# KiCad board ciaa_acc.kicad_pcb (continued)
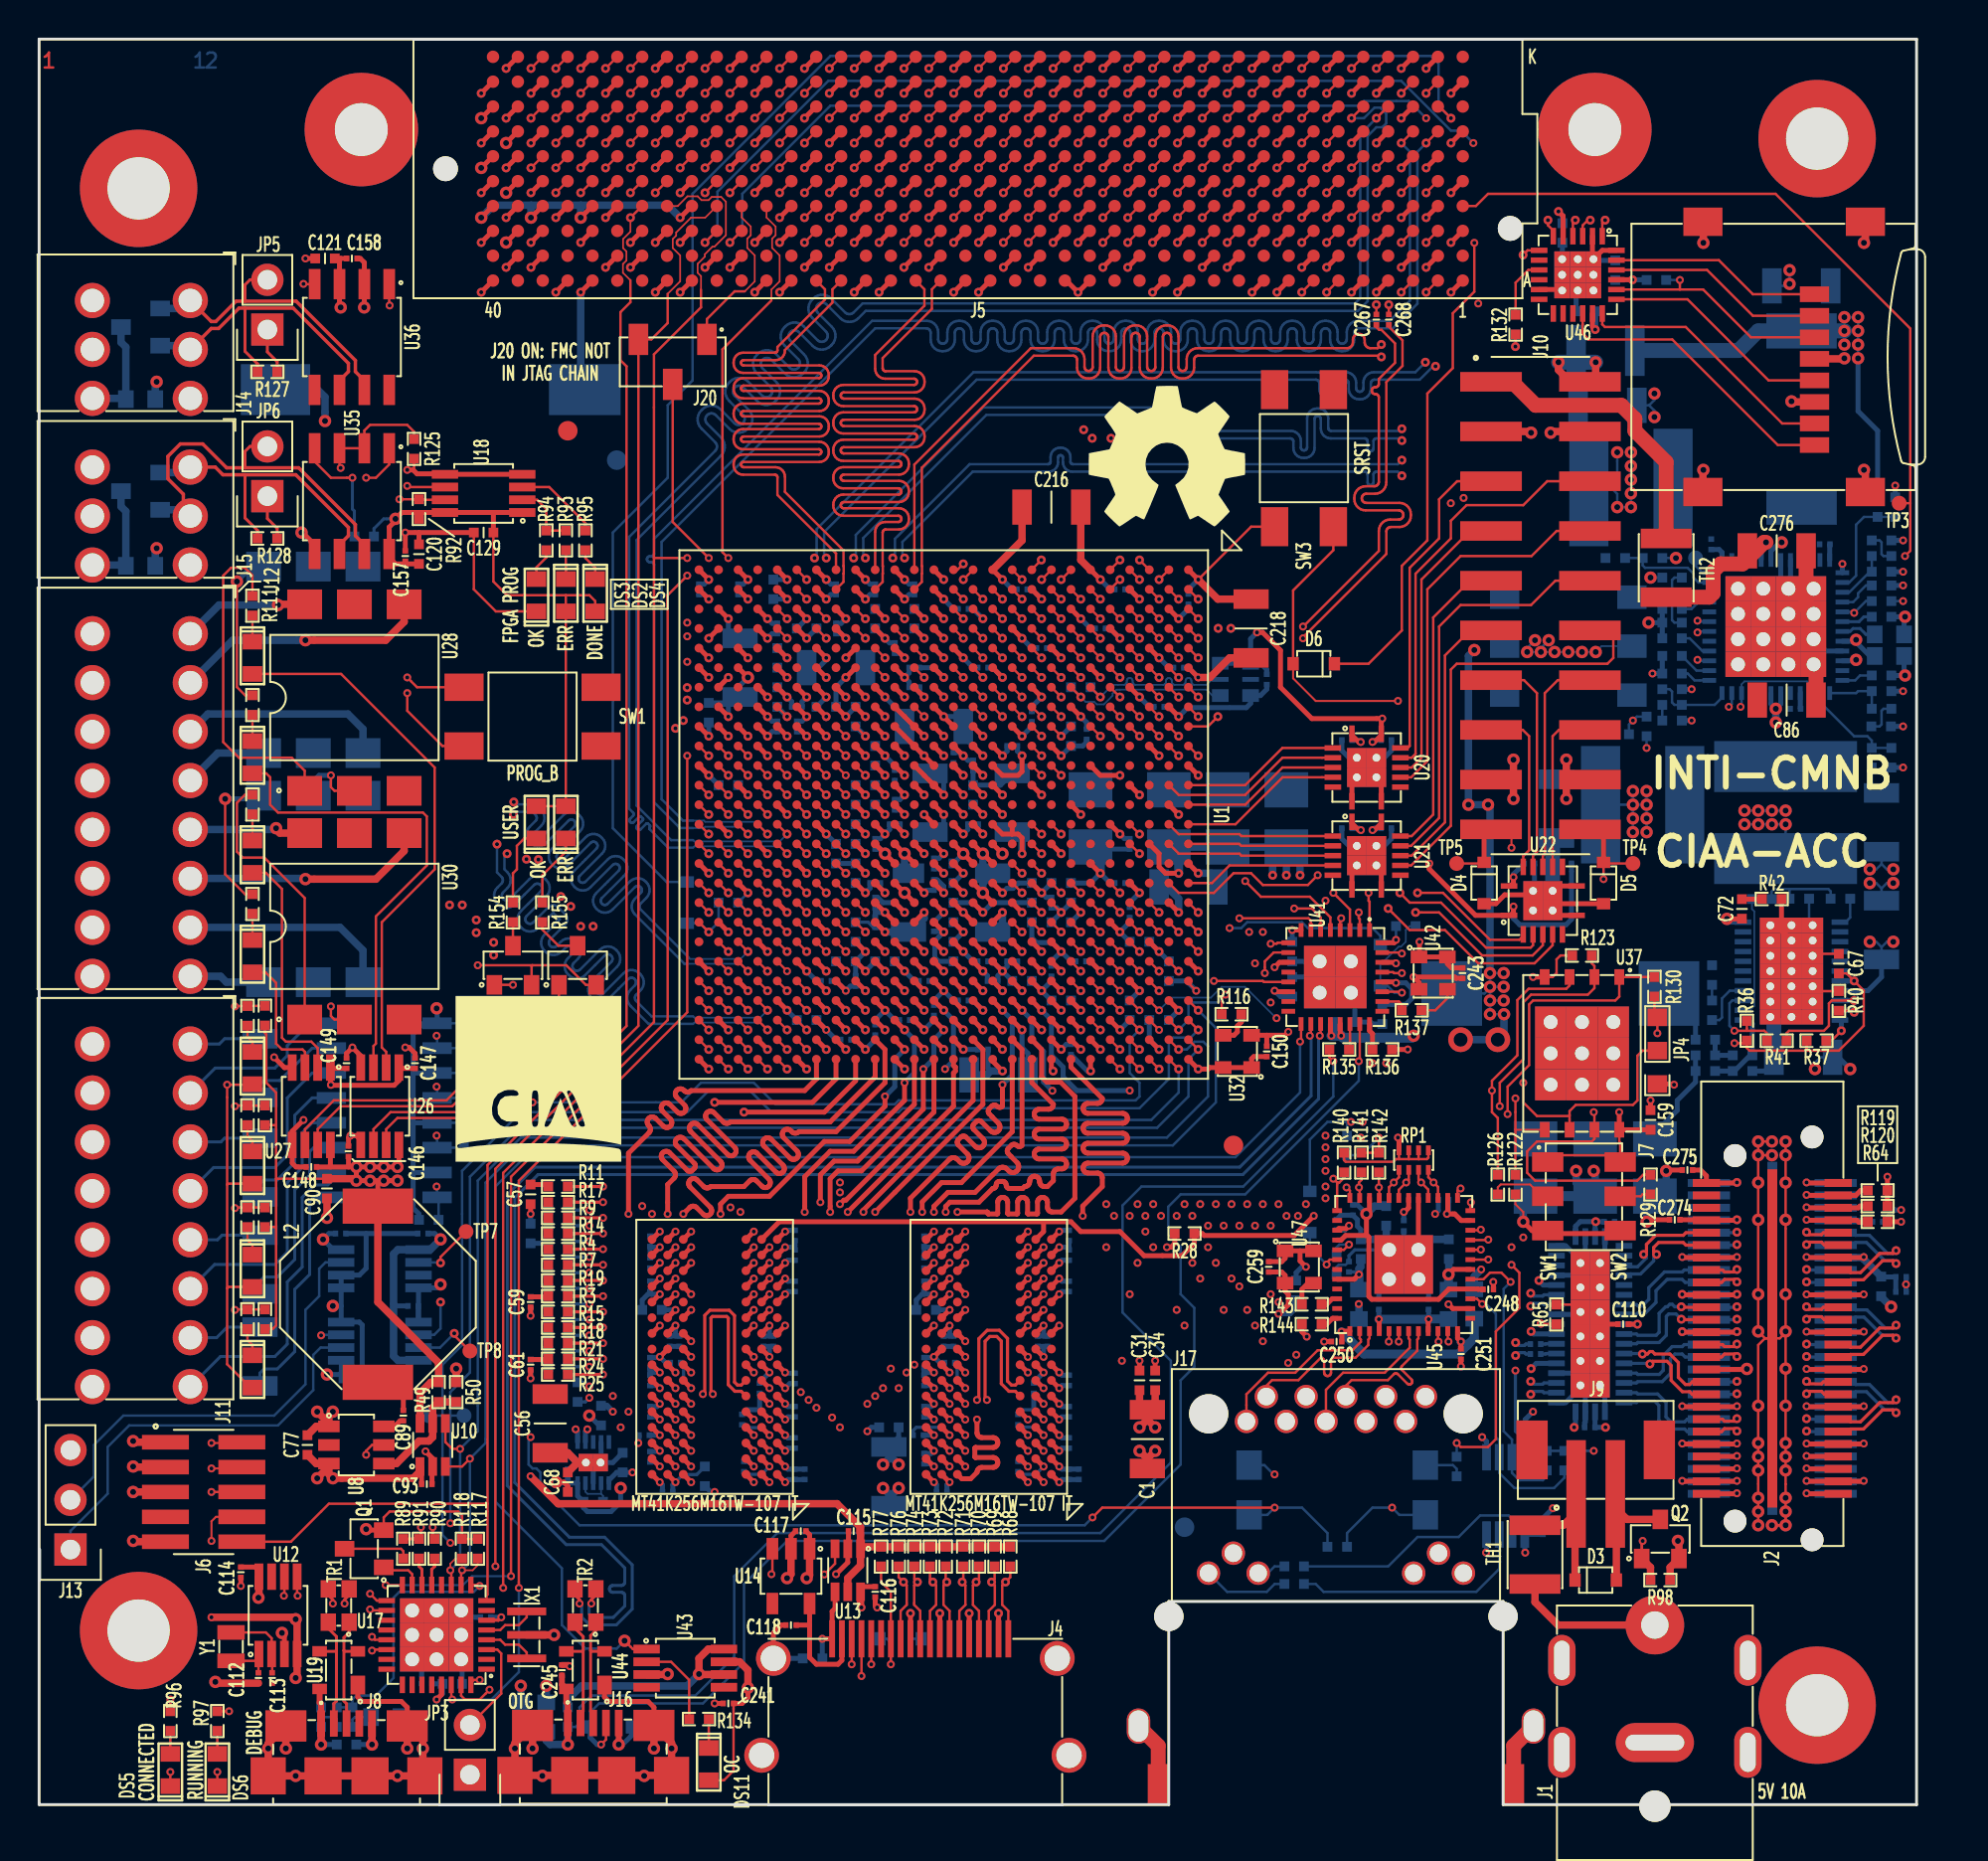
[diagram p0: board, top side]
## Routing (per net, layer and track width the routed paths; a pad name or vN(x,y) marks a point on that pad's centre or on a via; arc(x,y) is an arc through that point) (continued)
/Principal/BANK_502/DDR_RESET: length 74.5
  TOP_L1.Sig w0.254: 51.3,29.77 37.8,29.77 U3.T2 ; 51.3,29.77 52.7,29.77 53.2,29.27 55.2,29.27 56.43,28.04 58.37,28.04 59,28.67 R28.1 59.4,29.17 59.5,29.07 64.1,29.07 v1(65.1,30.07) ; 51.3,29.77 51.3,29.27 U2.T2 ; U1.H22 v2(52.2,41.57)
  L5.Sig w0.165: v2(52.2,41.57) 51.7,41.07 51.7,38.37 52.3,37.77 52.3,37.07 52.5,36.87 59.6,36.87 59.64,36.86 59.69,36.85 59.72,36.83 59.76,36.79 59.78,36.76 59.79,36.71 59.8,36.67 59.8,36.57 59.81,36.53 59.82,36.49 59.84,36.45 59.88,36.42 59.91,36.39 59.96,36.38 60,36.37 60.04,36.38 60.09,36.39 60.12,36.42 60.16,36.45 60.18,36.49 60.19,36.53 60.2,36.57 60.2,37.72 60.21,37.76 60.22,37.8 60.24,37.84 60.28,37.87 60.31,37.9 60.36,37.91 60.4,37.92 60.44,37.91 60.49,37.9 60.52,37.87 60.56,37.84 60.58,37.8 60.59,37.76 60.6,37.72 60.6,36.57 60.61,36.53 60.62,36.49 60.64,36.45 60.68,36.42 60.71,36.39 60.76,36.38 60.8,36.37 60.84,36.38 60.89,36.39 60.92,36.42 60.96,36.45 60.98,36.49 60.99,36.53 61,36.57 61,37.72 61.01,37.76 61.02,37.8 61.04,37.84 61.08,37.87 61.11,37.9 61.16,37.91 61.2,37.92 61.24,37.91 61.29,37.9 61.32,37.87 61.36,37.84 61.38,37.8 61.39,37.76 61.4,37.72 61.4,36.57 61.41,36.53 61.42,36.49 61.44,36.45 61.48,36.42 61.51,36.39 61.56,36.38 61.6,36.37 61.64,36.38 61.69,36.39 61.72,36.42 61.76,36.45 61.78,36.49 61.79,36.53 61.8,36.57 61.8,37.72 61.81,37.76 61.82,37.8 61.84,37.84 61.88,37.87 61.91,37.9 61.96,37.91 62,37.92 62.04,37.91 62.09,37.9 62.12,37.87 62.16,37.84 62.18,37.8 62.19,37.76 62.2,37.72 62.2,36.32 62.21,36.28 62.22,36.24 62.24,36.2 62.28,36.17 62.31,36.14 62.36,36.13 62.4,36.12 62.44,36.13 62.49,36.14 62.52,36.17 62.56,36.2 62.58,36.24 62.59,36.28 62.6,36.32 62.6,36.67 62.61,36.71 62.62,36.76 62.64,36.79 62.68,36.83 62.71,36.85 62.76,36.86 62.8,36.87 63.1,36.87 63.12,36.84 63.14,36.81 63.14,36.78 63.14,36.75 63.14,36.72 63.12,36.69 63.08,36.63 63.06,36.6 63.06,36.57 63.06,36.54 63.06,36.51 63.08,36.48 63.1,36.45 63.12,36.43 63.15,36.41 63.18,36.39 63.21,36.38 63.25,36.38 63.28,36.39 63.31,36.41 63.33,36.43 63.44,36.53 63.44,36.53 64.27,37.37 64.3,37.39 64.34,37.4 64.37,37.41 64.41,37.41 64.45,37.4 64.48,37.39 64.51,37.37 64.53,37.34 64.55,37.3 64.56,37.27 64.56,37.23 64.55,37.19 64.53,37.16 64.51,37.13 63.54,36.17 63.52,36.14 63.51,36.11 63.5,36.07 63.5,36.03 63.51,36 63.52,35.96 63.54,35.94 63.57,35.91 63.61,35.9 63.64,35.89 63.68,35.89 63.72,35.9 63.75,35.91 63.78,35.94 64.74,36.9 64.77,36.92 64.8,36.94 64.84,36.95 64.88,36.95 64.91,36.94 64.95,36.92 64.98,36.9 65,36.87 65.01,36.84 65.02,36.8 65.02,36.76 65.01,36.73 65,36.69 64.98,36.67 64.05,35.74 64.04,35.72 64.02,35.7 64.02,35.67 64.02,35.64 64.02,35.61 64.04,35.59 64.05,35.57 64.11,35.51 64.13,35.49 64.16,35.48 64.19,35.47 64.21,35.47 64.24,35.48 64.26,35.49 64.29,35.51 65.21,36.43 65.24,36.45 65.27,36.47 65.31,36.48 65.34,36.48 65.38,36.47 65.41,36.45 65.44,36.43 65.47,36.4 65.48,36.37 65.49,36.33 65.49,36.3 65.48,36.26 65.47,36.23 65.44,36.2 64.52,35.28 64.5,35.25 64.49,35.23 64.48,35.2 64.48,35.17 64.49,35.15 64.5,35.12 64.52,35.1 64.58,35.04 64.6,35.03 64.63,35.01 64.65,35.01 64.68,35.01 64.71,35.01 64.73,35.03 64.77,35.06 64.8,35.07 64.83,35.08 64.85,35.08 64.88,35.07 64.91,35.06 64.93,35.04 65.1,34.87 v1(65.1,30.07)
/Principal/BANK_502/DDR_WE: length 79.7
  TOP_L1.Sig w0.254: U3.L3 v1(36.5,25.27) ; U1.V22 v2(42.2,41.57) ; U2.L3 v1(50.5,25.27)
  L5.Sig w0.165: v1(28.1,24.77) 29.2,24.77 30.1,25.67 36.5,25.67 ; 51,25.67 62.5,25.67 v1(62.9,26.07) ; 51,25.67 36.5,25.67 ; 51,25.67 50.5,25.67 v1(50.5,25.27) ; 36.5,25.67 v1(36.5,25.27) ; v2(42.2,41.57) 42.7,41.07 42.7,40.17 42.8,40.07 43.6,40.07 43.7,39.97 43.7,36.37 43.8,36.27 43.82,36.24 43.84,36.2 43.85,36.17 43.85,36.13 43.84,36.09 43.82,36.05 43.78,35.99 43.76,35.96 43.75,35.92 43.75,35.88 43.76,35.84 43.78,35.81 43.8,35.78 43.87,35.7 43.9,35.68 43.94,35.66 43.97,35.65 44.01,35.65 44.05,35.66 44.09,35.68 44.12,35.7 44.61,36.2 44.65,36.23 44.7,36.25 44.75,36.26 44.8,36.26 44.85,36.25 44.89,36.23 44.93,36.2 44.96,36.16 44.98,36.11 45,36.07 45,36.02 44.98,35.97 44.96,35.92 44.93,35.88 44.44,35.39 44.41,35.36 44.39,35.32 44.39,35.28 44.39,35.24 44.39,35.2 44.41,35.17 44.44,35.14 44.51,35.07 44.54,35.04 44.57,35.03 44.61,35.02 44.65,35.02 44.69,35.03 44.72,35.04 44.75,35.07 45.25,35.56 45.29,35.59 45.33,35.62 45.38,35.63 45.43,35.63 45.48,35.62 45.53,35.59 45.57,35.56 45.6,35.52 45.62,35.48 45.63,35.43 45.63,35.38 45.62,35.33 45.6,35.28 45.57,35.24 45.07,34.75 45.05,34.72 45.03,34.68 45.02,34.65 45.02,34.61 45.03,34.57 45.05,34.53 45.07,34.5 45.14,34.43 45.17,34.41 45.21,34.39 45.25,34.38 45.29,34.38 45.33,34.39 45.36,34.41 45.39,34.43 45.89,34.93 45.93,34.96 45.97,34.98 46.02,34.99 46.07,34.99 46.12,34.98 46.16,34.96 46.2,34.93 46.24,34.89 46.26,34.84 46.27,34.79 46.27,34.74 46.26,34.69 46.24,34.65 46.2,34.61 45.71,34.11 45.68,34.08 45.67,34.05 45.66,34.01 45.66,33.97 45.67,33.93 45.68,33.9 45.71,33.87 45.78,33.8 45.81,33.77 45.85,33.75 45.88,33.74 45.92,33.74 45.96,33.75 46,33.77 46.03,33.8 46.52,34.29 46.56,34.32 46.61,34.34 46.66,34.35 46.71,34.35 46.76,34.34 46.8,34.32 46.84,34.29 46.87,34.25 46.89,34.21 46.91,34.16 46.91,34.11 46.89,34.06 46.87,34.01 46.84,33.97 46.63,33.76 46.6,33.72 46.58,33.67 46.56,33.63 46.56,33.58 46.58,33.53 46.6,33.48 46.63,33.44 47.2,32.87 61.3,32.87 62.9,31.27 v1(62.9,29.57)
  L10.Sig w0.089: v1(62.9,29.57) 62.9,29.6
  L10.Sig w0.165: v1(62.9,29.57) v1(62.9,26.07)
  BOT_L12.Sig w0.165: R26.2 v1(28.1,24.77)
/Principal/BANKS_HP/FAN_PWM: length 55.3
  TOP_L1.Sig w0.127: U1.B17 58.2,46.57 60,46.57 61,47.57 61.9,47.57 62.5,46.97 64.8,46.97 v1(65.3,47.47)
  TOP_L1.Sig w0.147: Q2.1 81.85,13.42 v1(81.9,13.47)
  TOP_L1.Sig w0.381: R98.1 82.3,12.12 Q2.1
  L3.Sig w0.127: v1(81.9,13.47) 80.9,14.47 80.9,28.27 80.4,28.77 79.2,28.77 71.3,36.67 71.3,44.17 70.7,44.77 65.9,44.77 65.3,45.37 v1(65.3,47.47)
/Principal/BANKS_HP/FMC_CLK1_C2M_N: length 54.3
  TOP_L1.Sig w0.127: U1.D14 v2(56.2,49.57) ; v2(69.57,87.4) 70.16,88 J5.J3
  L8.Sig w0.089: v2(69.57,87.4) 70.06,86.91 70.06,76.48 70.06,76.44 70.04,76.4 70.02,76.36 69.99,76.33 69.95,76.3 69.91,76.29 69.86,76.28 69.86,76.28 69.81,76.28 69.77,76.26 69.73,76.24 69.7,76.21 69.68,76.17 69.66,76.13 69.66,76.08 69.66,76.04 69.68,76 69.7,75.96 69.73,75.93 69.77,75.9 69.81,75.89 69.86,75.88 69.86,75.88 69.91,75.88 69.95,75.86 69.99,75.84 70.02,75.81 70.04,75.77 70.06,75.73 70.06,75.68 70.06,73.97 70.06,73.92 70.04,73.88 70.02,73.84 69.98,73.81 69.94,73.78 69.9,73.76 69.85,73.76 69.42,73.76 69.32,73.75 69.22,73.71 69.13,73.66 69.06,73.59 69,73.5 68.97,73.4 68.96,73.3 68.96,73.24 68.97,73.14 69,73.04 69.06,72.95 69.13,72.88 69.22,72.83 69.32,72.79 69.42,72.78 70.96,72.78 71.01,72.78 71.05,72.76 71.09,72.73 71.12,72.7 71.15,72.66 71.16,72.62 71.17,72.57 71.16,72.52 71.15,72.48 71.12,72.44 71.09,72.41 71.05,72.38 71.01,72.36 70.96,72.36 69.42,72.36 69.32,72.35 69.22,72.31 69.13,72.26 69.06,72.19 69,72.1 68.97,72 68.96,71.9 68.96,71.84 68.97,71.74 69,71.64 69.06,71.55 69.13,71.48 69.22,71.43 69.32,71.39 69.42,71.38 69.85,71.38 69.9,71.38 69.94,71.36 69.98,71.33 70.02,71.3 70.04,71.26 70.06,71.22 70.06,71.17 70.06,58.76 60.51,49.21 59.72,49.21 59.7,49.19 56.58,49.19 v2(56.2,49.57)
/Principal/BANKS_HP/FMC_CLK1_C2M_P: length 54.3
  TOP_L1.Sig w0.127: J5.J2 71.43,88 v2(70.84,87.4) ; U1.D15 v2(56.2,48.57)
  L8.Sig w0.089: v2(70.84,87.4) 70.34,86.91 70.34,73.94 70.33,73.84 70.3,73.74 70.24,73.65 70.17,73.58 70.08,73.53 69.98,73.49 69.88,73.48 69.45,73.48 69.4,73.48 69.36,73.46 69.32,73.43 69.28,73.4 69.26,73.36 69.24,73.32 69.24,73.27 69.24,73.22 69.26,73.18 69.28,73.14 69.32,73.11 69.36,73.08 69.4,73.06 69.45,73.06 70.99,73.06 71.09,73.05 71.19,73.01 71.27,72.96 71.35,72.89 71.4,72.8 71.44,72.7 71.45,72.6 71.45,72.54 71.44,72.44 71.4,72.34 71.35,72.25 71.27,72.18 71.19,72.13 71.09,72.09 70.99,72.08 69.45,72.08 69.4,72.08 69.36,72.06 69.32,72.03 69.28,72 69.26,71.96 69.24,71.92 69.24,71.87 69.24,71.82 69.26,71.78 69.28,71.74 69.32,71.71 69.36,71.68 69.4,71.66 69.45,71.66 69.88,71.66 69.98,71.65 70.08,71.61 70.17,71.56 70.24,71.49 70.3,71.4 70.33,71.3 70.34,71.2 70.34,58.64 60.63,48.93 59.72,48.93 59.7,48.95 56.58,48.95 v2(56.2,48.57)
/Principal/BANKS_HP/FMC_CLK1_M2C_N: length 54.3
  TOP_L1.Sig w0.127: U1.H14 v2(52.2,49.57) ; v2(67.03,88.67) 67.62,89.27 J5.K5
  L8.Sig w0.089: v2(52.2,49.57) 52.58,49.95 59.68,49.95 59.7,49.93 59.86,49.93 67.8,57.88 67.8,87.67 68.17,88.04 68.42,88.04 68.81,88.42 68.81,88.93 68.55,89.18 68.17,89.18 67.66,88.67 v2(67.03,88.67)
/Principal/BANKS_HP/FMC_CLK1_M2C_P: length 54.3
  TOP_L1.Sig w0.127: U1.J14 v2(51.2,49.57) ; J5.K4 68.89,89.27 v2(68.3,88.67)
  L8.Sig w0.089: v2(51.2,49.57) 51.82,50.19 59.68,50.19 59.7,50.21 59.74,50.21 67.52,57.99 67.52,73.83 67.52,73.89 67.49,73.96 67.46,74.02 67.41,74.06 67.35,74.1 67.29,74.12 67.22,74.13 67.08,74.13 67.01,74.14 66.95,74.16 66.89,74.19 66.84,74.24 66.81,74.3 66.78,74.36 66.78,74.43 66.78,74.49 66.81,74.56 66.84,74.62 66.89,74.66 66.95,74.7 67.01,74.72 67.08,74.73 67.22,74.73 67.29,74.74 67.35,74.76 67.41,74.79 67.46,74.84 67.49,74.9 67.52,74.96 67.52,75.03 67.52,75.09 67.49,75.16 67.46,75.22 67.41,75.26 67.35,75.3 67.29,75.32 67.22,75.33 67.08,75.33 67.01,75.34 66.95,75.36 66.89,75.39 66.84,75.44 66.81,75.5 66.78,75.56 66.78,75.63 66.78,75.69 66.81,75.76 66.84,75.82 66.89,75.86 66.95,75.9 67.01,75.92 67.08,75.93 67.22,75.93 67.29,75.94 67.35,75.96 67.41,75.99 67.46,76.04 67.49,76.1 67.52,76.16 67.52,76.23 67.52,87.9 v2(68.3,88.67)
/Principal/BANKS_HP/FMC_HA_0_N: length 54.3
  TOP_L1.Sig w0.127: U1.C6 v2(57.2,57.57) ; v2(67.03,83.59) 67.62,84.19 J5.F5
  L10.Sig w0.089: v2(67.03,83.59) 67.52,83.1 67.52,73.25 67.53,73.16 67.56,73.08 67.61,73.01 67.67,72.95 67.74,72.9 67.83,72.87 67.91,72.86 68.53,72.86 68.56,72.86 68.59,72.85 68.61,72.83 68.63,72.81 68.65,72.78 68.66,72.75 68.66,72.72 68.66,72.69 68.65,72.67 68.63,72.64 68.61,72.62 68.59,72.6 68.56,72.59 68.53,72.59 67.91,72.59 67.83,72.58 67.74,72.55 67.67,72.5 67.61,72.44 67.56,72.37 67.53,72.29 67.52,72.2 67.52,72.15 67.53,72.06 67.56,71.98 67.61,71.91 67.67,71.85 67.74,71.8 67.83,71.77 67.91,71.76 68.53,71.76 68.56,71.76 68.59,71.75 68.61,71.73 68.63,71.71 68.65,71.68 68.66,71.65 68.66,71.62 68.66,71.59 68.65,71.57 68.63,71.54 68.61,71.52 68.59,71.5 68.56,71.49 68.53,71.49 67.91,71.49 67.83,71.48 67.74,71.45 67.67,71.4 67.61,71.34 67.56,71.27 67.53,71.19 67.52,71.1 67.52,71.05 67.53,70.96 67.56,70.88 67.61,70.81 67.67,70.75 67.74,70.7 67.83,70.67 67.91,70.66 68.53,70.66 68.56,70.66 68.59,70.65 68.61,70.63 68.63,70.61 68.65,70.58 68.66,70.55 68.66,70.52 68.66,70.49 68.65,70.47 68.63,70.44 68.61,70.42 68.59,70.4 68.56,70.39 68.53,70.39 67.91,70.39 67.83,70.38 67.74,70.35 67.67,70.3 67.61,70.24 67.56,70.17 67.53,70.09 67.52,70 67.52,69.95 67.53,69.86 67.56,69.78 67.61,69.71 67.67,69.65 67.74,69.6 67.83,69.57 67.91,69.56 68.53,69.56 68.56,69.56 68.59,69.55 68.61,69.53 68.63,69.51 68.65,69.48 68.66,69.45 68.66,69.42 68.66,69.39 68.65,69.37 68.63,69.34 68.61,69.32 68.59,69.3 68.56,69.29 68.53,69.29 67.91,69.29 67.83,69.28 67.74,69.25 67.67,69.2 67.61,69.14 67.56,69.07 67.53,68.99 67.52,68.9 67.52,68.85 67.53,68.76 67.56,68.68 67.61,68.61 67.67,68.55 67.74,68.5 67.83,68.47 67.91,68.46 68.53,68.46 68.56,68.46 68.59,68.45 68.61,68.43 68.63,68.41 68.65,68.38 68.66,68.35 68.66,68.32 68.66,68.29 68.65,68.27 68.63,68.24 68.61,68.22 68.59,68.2 68.56,68.19 68.53,68.19 67.91,68.19 67.83,68.18 67.74,68.15 67.67,68.1 67.61,68.04 67.56,67.97 67.53,67.89 67.52,67.8 67.52,67.75 67.53,67.66 67.56,67.58 67.61,67.51 67.67,67.45 67.74,67.4 67.83,67.37 67.91,67.36 68.53,67.36 68.56,67.36 68.59,67.35 68.61,67.33 68.63,67.31 68.65,67.28 68.66,67.25 68.66,67.22 68.66,67.19 68.65,67.17 68.63,67.14 68.61,67.12 68.59,67.1 68.56,67.09 68.53,67.09 67.91,67.09 67.83,67.08 67.74,67.05 67.67,67 67.61,66.94 67.56,66.87 67.53,66.79 67.52,66.7 67.52,66.65 67.53,66.56 67.56,66.48 67.61,66.41 67.67,66.35 67.74,66.3 67.83,66.27 67.91,66.26 68.53,66.26 68.56,66.26 68.59,66.25 68.61,66.23 68.63,66.21 68.65,66.18 68.66,66.15 68.66,66.12 68.66,66.09 68.65,66.07 68.63,66.04 68.61,66.02 68.59,66 68.56,65.99 68.53,65.99 67.12,65.99 67.04,65.98 66.95,65.95 66.88,65.9 66.82,65.84 66.77,65.77 66.74,65.69 66.73,65.6 66.73,65.55 66.74,65.46 66.77,65.38 66.82,65.31 66.88,65.25 66.95,65.2 67.04,65.17 67.12,65.16 68.53,65.16 68.56,65.16 68.59,65.15 68.61,65.13 68.63,65.11 68.65,65.08 68.66,65.05 68.66,65.02 68.66,64.99 68.65,64.97 68.63,64.94 68.61,64.92 68.59,64.9 68.56,64.89 68.53,64.89 67.91,64.89 67.83,64.88 67.74,64.85 67.67,64.8 67.61,64.74 67.56,64.67 67.53,64.59 67.52,64.5 67.52,64.47 67.28,64.23 67.25,64.21 67.22,64.2 67.19,64.19 67.15,64.19 67.12,64.2 67.08,64.21 67.06,64.23 66.94,64.35 66.87,64.41 66.78,64.45 66.69,64.47 66.6,64.47 66.51,64.45 66.43,64.41 66.35,64.35 66.32,64.31 66.26,64.24 66.22,64.16 66.2,64.07 66.2,63.97 66.22,63.88 66.26,63.8 66.32,63.73 66.65,63.4 66.96,63.09 66.98,63.06 66.99,63.03 67,62.99 67,62.96 66.99,62.92 66.98,62.89 66.96,62.86 66.93,62.84 66.89,62.82 66.86,62.82 66.82,62.82 66.79,62.82 66.76,62.84 66.73,62.86 66.61,62.98 66.54,63.04 66.46,63.08 66.37,63.1 66.27,63.1 66.18,63.08 66.1,63.04 66.03,62.98 65.89,62.84 65.87,62.82 65.84,62.81 65.82,62.8 65.79,62.8 65.77,62.81 65.74,62.82 65.72,62.84 65.26,63.3 65.24,63.31 65.22,63.33 65.19,63.33 65.17,63.33 65.14,63.33 65.12,63.31 65.1,63.3 65.08,63.28 65.07,63.26 65.07,63.23 65.07,63.21 65.07,63.18 65.08,63.16 65.1,63.14 65.56,62.68 65.58,62.66 65.59,62.63 65.6,62.61 65.6,62.58 65.59,62.56 65.58,62.53 65.56,62.51 65.46,62.41 60.26,57.21 59.72,57.21 59.7,57.19 57.58,57.19 v2(57.2,57.57)
/Principal/BANKS_HP/FMC_HA_0_P: length 54.3
  TOP_L1.Sig w0.127: U1.D6 v2(56.2,57.57) ; J5.F4 68.89,84.19 v2(68.3,83.59)
  L10.Sig w0.089: v2(56.2,57.57) 56.82,56.95 57.32,56.95 59.7,56.95 59.72,56.93 60.37,56.93 66.21,62.76 66.24,62.79 66.27,62.8 66.3,62.81 66.34,62.81 66.37,62.8 66.41,62.79 66.43,62.76 66.55,62.65 66.62,62.59 66.71,62.55 66.8,62.53 66.89,62.53 66.98,62.55 67.06,62.59 67.13,62.65 67.17,62.68 67.23,62.76 67.27,62.84 67.29,62.93 67.29,63.02 67.27,63.11 67.23,63.2 67.17,63.27 66.84,63.6 66.53,63.91 66.51,63.94 66.5,63.97 66.49,64 66.49,64.04 66.5,64.07 66.51,64.11 66.53,64.13 66.56,64.16 66.59,64.17 66.63,64.18 66.66,64.18 66.7,64.17 66.73,64.16 66.76,64.13 66.88,64.02 66.95,63.96 67.03,63.92 67.12,63.9 67.22,63.9 67.31,63.92 67.39,63.96 67.46,64.02 67.8,64.36 67.8,64.47 67.81,64.5 67.82,64.53 67.83,64.56 67.85,64.58 67.88,64.6 67.91,64.61 67.94,64.61 68.55,64.61 68.64,64.62 68.72,64.65 68.8,64.7 68.86,64.76 68.9,64.83 68.93,64.91 68.94,65 68.94,65.05 68.93,65.14 68.9,65.22 68.86,65.29 68.8,65.35 68.72,65.4 68.64,65.43 68.55,65.44 67.15,65.44 67.12,65.44 67.09,65.45 67.06,65.47 67.04,65.49 67.03,65.52 67.02,65.54 67.01,65.57 67.02,65.6 67.03,65.63 67.04,65.66 67.06,65.68 67.09,65.7 67.12,65.71 67.15,65.71 68.55,65.71 68.64,65.72 68.72,65.75 68.8,65.8 68.86,65.86 68.9,65.93 68.93,66.01 68.94,66.1 68.94,66.15 68.93,66.24 68.9,66.32 68.86,66.39 68.8,66.45 68.72,66.5 68.64,66.53 68.55,66.54 67.94,66.54 67.91,66.54 67.88,66.55 67.85,66.57 67.83,66.59 67.82,66.62 67.81,66.64 67.8,66.67 67.81,66.7 67.82,66.73 67.83,66.76 67.85,66.78 67.88,66.8 67.91,66.81 67.94,66.81 68.55,66.81 68.64,66.82 68.72,66.85 68.8,66.9 68.86,66.96 68.9,67.03 68.93,67.11 68.94,67.2 68.94,67.25 68.93,67.34 68.9,67.42 68.86,67.49 68.8,67.55 68.72,67.6 68.64,67.63 68.55,67.64 67.94,67.64 67.91,67.64 67.88,67.65 67.85,67.67 67.83,67.69 67.82,67.72 67.81,67.74 67.8,67.77 67.81,67.8 67.82,67.83 67.83,67.86 67.85,67.88 67.88,67.9 67.91,67.91 67.94,67.91 68.55,67.91 68.64,67.92 68.72,67.95 68.8,68 68.86,68.06 68.9,68.13 68.93,68.21 68.94,68.3 68.94,68.35 68.93,68.44 68.9,68.52 68.86,68.59 68.8,68.65 68.72,68.7 68.64,68.73 68.55,68.74 67.94,68.74 67.91,68.74 67.88,68.75 67.85,68.77 67.83,68.79 67.82,68.82 67.81,68.84 67.8,68.87 67.81,68.9 67.82,68.93 67.83,68.96 67.85,68.98 67.88,69 67.91,69.01 67.94,69.01 68.55,69.01 68.64,69.02 68.72,69.05 68.8,69.1 68.86,69.16 68.9,69.23 68.93,69.31 68.94,69.4 68.94,69.45 68.93,69.54 68.9,69.62 68.86,69.69 68.8,69.75 68.72,69.8 68.64,69.83 68.55,69.84 67.94,69.84 67.91,69.84 67.88,69.85 67.85,69.87 67.83,69.89 67.82,69.92 67.81,69.94 67.8,69.97 67.81,70 67.82,70.03 67.83,70.06 67.85,70.08 67.88,70.1 67.91,70.11 67.94,70.11 68.55,70.11 68.64,70.12 68.72,70.15 68.8,70.2 68.86,70.26 68.9,70.33 68.93,70.41 68.94,70.5 68.94,70.55 68.93,70.64 68.9,70.72 68.86,70.79 68.8,70.85 68.72,70.9 68.64,70.93 68.55,70.94 67.94,70.94 67.91,70.94 67.88,70.95 67.85,70.97 67.83,70.99 67.82,71.02 67.81,71.04 67.8,71.07 67.81,71.1 67.82,71.13 67.83,71.16 67.85,71.18 67.88,71.2 67.91,71.21 67.94,71.21 68.55,71.21 68.64,71.22 68.72,71.25 68.8,71.3 68.86,71.36 68.9,71.43 68.93,71.51 68.94,71.6 68.94,71.65 68.93,71.74 68.9,71.82 68.86,71.89 68.8,71.95 68.72,72 68.64,72.03 68.55,72.04 67.94,72.04 67.91,72.04 67.88,72.05 67.85,72.07 67.83,72.09 67.82,72.12 67.81,72.14 67.8,72.17 67.81,72.2 67.82,72.23 67.83,72.26 67.85,72.28 67.88,72.3 67.91,72.31 67.94,72.31 68.55,72.31 68.64,72.32 68.72,72.35 68.8,72.4 68.86,72.46 68.9,72.53 68.93,72.61 68.94,72.7 68.94,72.75 68.93,72.84 68.9,72.92 68.86,72.99 68.8,73.05 68.72,73.1 68.64,73.13 68.55,73.14 67.94,73.14 67.91,73.14 67.88,73.15 67.85,73.17 67.83,73.19 67.82,73.22 67.81,73.24 67.8,73.27 67.8,83.1 v2(68.3,83.59)
/Principal/BANKS_HP/FMC_HA_1_N: length 54.3
  TOP_L1.Sig w0.127: U1.C7 v2(57.2,56.57) ; J5.E3 70.16,82.92 v2(69.57,82.32)
  L10.Sig w0.089: v2(69.57,82.32) 70.06,81.83 70.06,76.74 70.06,76.7 70.05,76.66 70.03,76.63 70,76.6 69.96,76.58 69.93,76.57 69.89,76.56 69.86,76.56 69.82,76.56 69.78,76.54 69.75,76.52 69.72,76.5 69.7,76.46 69.68,76.42 69.68,76.39 69.68,76.35 69.7,76.31 69.72,76.28 69.75,76.25 69.78,76.23 69.82,76.22 69.86,76.21 69.89,76.21 69.93,76.21 69.96,76.19 70,76.17 70.03,76.15 70.05,76.11 70.06,76.07 70.06,76.04 70.06,73.31 70.06,73.27 70.05,73.24 70.03,73.21 70,73.18 69.97,73.16 69.94,73.15 69.9,73.15 69.61,73.15 69.52,73.14 69.43,73.11 69.36,73.06 69.29,72.99 69.24,72.91 69.21,72.82 69.2,72.73 69.2,72.68 69.21,72.59 69.24,72.5 69.29,72.42 69.36,72.36 69.43,72.31 69.52,72.28 69.61,72.27 71.02,72.27 71.05,72.26 71.09,72.25 71.12,72.23 71.14,72.21 71.16,72.18 71.17,72.14 71.18,72.11 71.17,72.07 71.16,72.04 71.14,72.01 71.12,71.98 71.09,71.96 71.05,71.95 71.02,71.95 69.61,71.95 69.52,71.94 69.43,71.91 69.36,71.86 69.29,71.79 69.24,71.71 69.21,71.62 69.2,71.53 69.2,71.48 69.21,71.39 69.24,71.3 69.29,71.22 69.36,71.16 69.43,71.11 69.52,71.08 69.61,71.07 71.02,71.07 71.05,71.06 71.09,71.05 71.12,71.03 71.14,71.01 71.16,70.98 71.17,70.94 71.18,70.91 71.17,70.87 71.16,70.84 71.14,70.81 71.12,70.78 71.09,70.76 71.05,70.75 71.02,70.75 70.48,70.75 70.39,70.74 70.3,70.71 70.22,70.66 70.15,70.59 70.1,70.51 70.07,70.42 70.06,70.33 70.06,70.28 70.07,70.19 70.1,70.1 70.15,70.02 70.22,69.96 70.3,69.91 70.39,69.88 70.48,69.87 71.02,69.87 71.05,69.86 71.09,69.85 71.12,69.83 71.14,69.81 71.16,69.78 71.17,69.74 71.18,69.71 71.17,69.67 71.16,69.64 71.14,69.61 71.12,69.58 71.09,69.56 71.05,69.55 71.02,69.55 70.48,69.55 70.39,69.54 70.3,69.51 70.22,69.46 70.15,69.39 70.1,69.31 70.07,69.22 70.06,69.13 70.06,69.08 70.07,68.99 70.1,68.9 70.15,68.82 70.22,68.76 70.3,68.71 70.39,68.68 70.48,68.67 71.02,68.67 71.05,68.66 71.09,68.65 71.12,68.63 71.14,68.61 71.16,68.58 71.17,68.54 71.18,68.51 71.17,68.47 71.16,68.44 71.14,68.41 71.12,68.38 71.09,68.36 71.05,68.35 71.02,68.35 70.48,68.35 70.39,68.34 70.3,68.31 70.22,68.26 70.15,68.19 70.1,68.11 70.07,68.02 70.06,67.93 70.06,67.88 70.07,67.79 70.1,67.7 70.15,67.62 70.22,67.56 70.3,67.51 70.39,67.48 70.48,67.47 71.02,67.47 71.05,67.46 71.09,67.45 71.12,67.43 71.14,67.41 71.16,67.38 71.17,67.34 71.18,67.31 71.17,67.27 71.16,67.24 71.14,67.21 71.12,67.18 71.09,67.16 71.05,67.15 71.02,67.15 69.46,67.15 69.37,67.14 69.28,67.11 69.21,67.06 69.14,66.99 69.09,66.91 69.06,66.82 69.05,66.73 69.05,66.68 69.06,66.59 69.09,66.5 69.14,66.42 69.21,66.36 69.28,66.31 69.37,66.28 69.46,66.27 71.02,66.27 71.05,66.26 71.09,66.25 71.12,66.23 71.14,66.21 71.16,66.18 71.17,66.14 71.18,66.11 71.17,66.07 71.16,66.04 71.14,66.01 71.12,65.98 71.09,65.96 71.05,65.95 71.02,65.95 69.51,65.95 69.42,65.94 69.33,65.91 69.26,65.86 69.19,65.79 69.14,65.71 69.11,65.62 69.1,65.53 69.1,65.48 69.11,65.39 69.14,65.3 69.19,65.22 69.26,65.16 69.33,65.11 69.42,65.08 69.51,65.07 69.9,65.07 69.94,65.06 69.97,65.05 70,65.03 70.03,65.01 70.05,64.98 70.06,64.94 70.06,64.91 70.06,63.63 62.64,56.21 60.5,56.21 60.48,56.19 57.58,56.19 v2(57.2,56.57)
/Principal/BANKS_HP/FMC_HA_1_P: length 54.3
  TOP_L1.Sig w0.127: U1.C8 v2(57.2,55.57) ; v2(70.84,82.32) 71.43,82.92 J5.E2
  L10.Sig w0.089: v2(70.84,82.32) 70.34,81.83 70.34,73.28 70.33,73.19 70.3,73.1 70.25,73.02 70.19,72.96 70.11,72.91 70.02,72.88 69.93,72.87 69.64,72.87 69.6,72.86 69.57,72.85 69.54,72.83 69.51,72.81 69.49,72.78 69.48,72.74 69.48,72.71 69.48,72.67 69.49,72.64 69.51,72.61 69.54,72.58 69.57,72.56 69.6,72.55 69.64,72.55 71.04,72.55 71.13,72.54 71.22,72.51 71.3,72.46 71.37,72.39 71.42,72.31 71.45,72.22 71.46,72.13 71.46,72.08 71.45,71.99 71.42,71.9 71.37,71.82 71.3,71.76 71.22,71.71 71.13,71.68 71.04,71.67 69.64,71.67 69.6,71.66 69.57,71.65 69.54,71.63 69.51,71.61 69.49,71.58 69.48,71.54 69.48,71.51 69.48,71.47 69.49,71.44 69.51,71.41 69.54,71.38 69.57,71.36 69.6,71.35 69.64,71.35 71.04,71.35 71.13,71.34 71.22,71.31 71.3,71.26 71.37,71.19 71.42,71.11 71.45,71.02 71.46,70.93 71.46,70.88 71.45,70.79 71.42,70.7 71.37,70.62 71.3,70.56 71.22,70.51 71.13,70.48 71.04,70.47 70.5,70.47 70.47,70.46 70.43,70.45 70.4,70.43 70.38,70.41 70.36,70.38 70.35,70.34 70.34,70.31 70.35,70.27 70.36,70.24 70.38,70.21 70.4,70.18 70.43,70.16 70.47,70.15 70.5,70.15 71.04,70.15 71.13,70.14 71.22,70.11 71.3,70.06 71.37,69.99 71.42,69.91 71.45,69.82 71.46,69.73 71.46,69.68 71.45,69.59 71.42,69.5 71.37,69.42 71.3,69.36 71.22,69.31 71.13,69.28 71.04,69.27 70.5,69.27 70.47,69.26 70.43,69.25 70.4,69.23 70.38,69.21 70.36,69.18 70.35,69.14 70.34,69.11 70.35,69.07 70.36,69.04 70.38,69.01 70.4,68.98 70.43,68.96 70.47,68.95 70.5,68.95 71.04,68.95 71.13,68.94 71.22,68.91 71.3,68.86 71.37,68.79 71.42,68.71 71.45,68.62 71.46,68.53 71.46,68.48 71.45,68.39 71.42,68.3 71.37,68.22 71.3,68.16 71.22,68.11 71.13,68.08 71.04,68.07 70.5,68.07 70.47,68.06 70.43,68.05 70.4,68.03 70.38,68.01 70.36,67.98 70.35,67.94 70.34,67.91 70.35,67.87 70.36,67.84 70.38,67.81 70.4,67.78 70.43,67.76 70.47,67.75 70.5,67.75 71.04,67.75 71.13,67.74 71.22,67.71 71.3,67.66 71.37,67.59 71.42,67.51 71.45,67.42 71.46,67.33 71.46,67.28 71.45,67.19 71.42,67.1 71.37,67.02 71.3,66.96 71.22,66.91 71.13,66.88 71.04,66.87 69.49,66.87 69.45,66.86 69.42,66.85 69.39,66.83 69.36,66.81 69.34,66.78 69.33,66.74 69.33,66.71 69.33,66.67 69.34,66.64 69.36,66.61 69.39,66.58 69.42,66.56 69.45,66.55 69.49,66.55 71.04,66.55 71.13,66.54 71.22,66.51 71.3,66.46 71.37,66.39 71.42,66.31 71.45,66.22 71.46,66.13 71.46,66.08 71.45,65.99 71.42,65.9 71.37,65.82 71.3,65.76 71.22,65.71 71.13,65.68 71.04,65.67 69.54,65.67 69.5,65.66 69.47,65.65 69.44,65.63 69.41,65.61 69.39,65.58 69.38,65.54 69.38,65.51 69.38,65.47 69.39,65.44 69.41,65.41 69.44,65.38 69.47,65.36 69.5,65.35 69.54,65.35 69.93,65.35 70.02,65.34 70.11,65.31 70.19,65.26 70.25,65.19 70.3,65.11 70.33,65.02 70.34,64.93 70.34,63.52 62.76,55.93 60.5,55.93 60.48,55.95 57.58,55.95 v2(57.2,55.57)
/Principal/BANKS_HP/FMC_HA_2_N: length 54.3
  TOP_L1.Sig w0.127: J5.K8 63.81,89.27 v2(63.22,88.67) ; U1.F2 v2(54.2,61.57)
  L10.Sig w0.089: v2(63.22,88.67) 63.73,88.67 64.23,89.18 64.74,89.18 65,88.93 65,88.42 64.61,88.04 64.49,88.04 63.99,87.54 63.99,84.52 64.14,84.37 65.05,84.37 65.26,84.16 65.26,77.6 65.26,76.12 65.27,76.09 65.27,76.07 65.29,76.05 65.3,76.03 65.33,76.02 65.35,76.01 65.37,76.01 65.68,76.01 65.76,76 65.84,75.97 65.91,75.93 65.97,75.87 66.01,75.8 66.04,75.72 66.05,75.64 66.05,75.6 66.04,75.51 66.01,75.44 65.97,75.37 65.91,75.31 65.84,75.26 65.76,75.24 65.68,75.23 65.37,75.23 65.35,75.23 65.33,75.22 65.3,75.2 65.29,75.19 65.27,75.17 65.27,75.14 65.26,75.12 65.27,75.09 65.27,75.07 65.29,75.05 65.3,75.03 65.33,75.02 65.35,75.01 65.37,75.01 65.68,75.01 65.76,75 65.84,74.97 65.91,74.93 65.97,74.87 66.01,74.8 66.04,74.72 66.05,74.64 66.05,74.6 66.04,74.51 66.01,74.44 65.97,74.37 65.91,74.31 65.84,74.26 65.76,74.24 65.68,74.23 65.37,74.23 65.35,74.23 65.33,74.22 65.3,74.2 65.29,74.19 65.27,74.17 65.27,74.14 65.26,74.12 65.27,74.09 65.27,74.07 65.29,74.05 65.3,74.03 65.33,74.02 65.35,74.01 65.37,74.01 65.68,74.01 65.76,74 65.84,73.97 65.91,73.93 65.97,73.87 66.01,73.8 66.04,73.72 66.05,73.64 66.05,73.6 66.04,73.51 66.01,73.44 65.97,73.37 65.91,73.31 65.84,73.26 65.76,73.24 65.68,73.23 65.37,73.23 65.35,73.23 65.33,73.22 65.3,73.2 65.29,73.19 65.27,73.17 65.27,73.14 65.26,73.12 65.27,73.09 65.27,73.07 65.29,73.05 65.3,73.03 65.33,73.02 65.35,73.01 65.37,73.01 65.68,73.01 65.76,73 65.84,72.97 65.91,72.93 65.97,72.87 66.01,72.8 66.04,72.72 66.05,72.64 66.05,72.6 66.04,72.51 66.01,72.44 65.97,72.37 65.91,72.31 65.84,72.26 65.76,72.24 65.68,72.23 65.37,72.23 65.35,72.23 65.33,72.22 65.3,72.2 65.29,72.19 65.27,72.17 65.27,72.14 65.26,72.12 65.27,72.09 65.27,72.07 65.29,72.05 65.3,72.03 65.33,72.02 65.35,72.01 65.37,72.01 65.68,72.01 65.76,72 65.84,71.97 65.91,71.93 65.97,71.87 66.01,71.8 66.04,71.72 66.05,71.64 66.05,71.6 66.04,71.51 66.01,71.44 65.97,71.37 65.91,71.31 65.84,71.26 65.76,71.24 65.68,71.23 65.37,71.23 65.35,71.23 65.33,71.22 65.3,71.2 65.29,71.19 65.27,71.17 65.27,71.14 65.26,71.12 65.27,71.09 65.27,71.07 65.29,71.05 65.3,71.03 65.33,71.02 65.35,71.01 65.37,71.01 65.68,71.01 65.76,71 65.84,70.97 65.91,70.93 65.97,70.87 66.01,70.8 66.04,70.72 66.05,70.64 66.05,70.6 66.04,70.51 66.01,70.44 65.97,70.37 65.91,70.31 65.84,70.26 65.76,70.24 65.68,70.23 65.37,70.23 65.35,70.23 65.33,70.22 65.3,70.2 65.29,70.19 65.27,70.17 65.27,70.14 65.26,70.12 65.27,70.09 65.27,70.07 65.29,70.05 65.3,70.03 65.33,70.02 65.35,70.01 65.37,70.01 65.68,70.01 65.76,70 65.84,69.97 65.91,69.93 65.97,69.87 66.01,69.8 66.04,69.72 66.05,69.64 66.05,69.6 66.04,69.51 66.01,69.44 65.97,69.37 65.91,69.31 65.84,69.26 65.76,69.24 65.68,69.23 65.37,69.23 65.35,69.23 65.33,69.22 65.3,69.2 65.29,69.19 65.27,69.17 65.27,69.14 65.26,69.12 65.27,69.09 65.27,69.07 65.29,69.05 65.3,69.03 65.33,69.02 65.35,69.01 65.37,69.01 65.68,69.01 65.76,69 65.84,68.97 65.91,68.93 65.97,68.87 66.01,68.8 66.04,68.72 66.05,68.64 66.05,68.6 66.04,68.51 66.01,68.44 65.97,68.37 65.91,68.31 65.84,68.26 65.76,68.24 65.68,68.23 65.37,68.23 65.35,68.23 65.33,68.22 65.3,68.2 65.29,68.19 65.27,68.17 65.27,68.14 65.26,68.12 65.27,68.09 65.27,68.07 65.29,68.05 65.3,68.03 65.33,68.02 65.35,68.01 65.37,68.01 65.68,68.01 65.76,68 65.84,67.97 65.91,67.93 65.97,67.87 66.01,67.8 66.04,67.72 66.05,67.64 66.05,67.6 66.04,67.51 66.01,67.44 65.97,67.37 65.91,67.31 65.84,67.26 65.76,67.24 65.68,67.23 65.37,67.23 65.35,67.23 65.33,67.22 65.3,67.2 65.29,67.19 65.27,67.17 65.27,67.14 65.26,67.12 65.27,67.09 65.27,67.07 65.29,67.05 65.3,67.03 65.33,67.02 65.35,67.01 65.37,67.01 65.68,67.01 65.76,67 65.84,66.97 65.91,66.93 65.97,66.87 66.01,66.8 66.04,66.72 66.05,66.64 66.05,66.6 66.04,66.51 66.01,66.44 65.97,66.37 65.91,66.31 65.84,66.26 65.76,66.24 65.68,66.23 64.59,66.23 64.56,66.23 64.54,66.22 64.52,66.2 64.5,66.19 64.49,66.17 64.48,66.14 64.48,66.12 64.48,66.09 64.49,66.07 64.5,66.05 64.52,66.03 64.54,66.02 64.56,66.01 64.59,66.01 64.9,66.01 64.98,66 65.05,65.97 65.12,65.93 65.18,65.87 65.23,65.8 65.25,65.72 65.26,65.64 65.26,65.5 61.69,61.93 59.72,61.93 59.7,61.95 54.58,61.95 v2(54.2,61.57)